# KiCad board ddr4-datacenter-tester.kicad_pcb (continued)
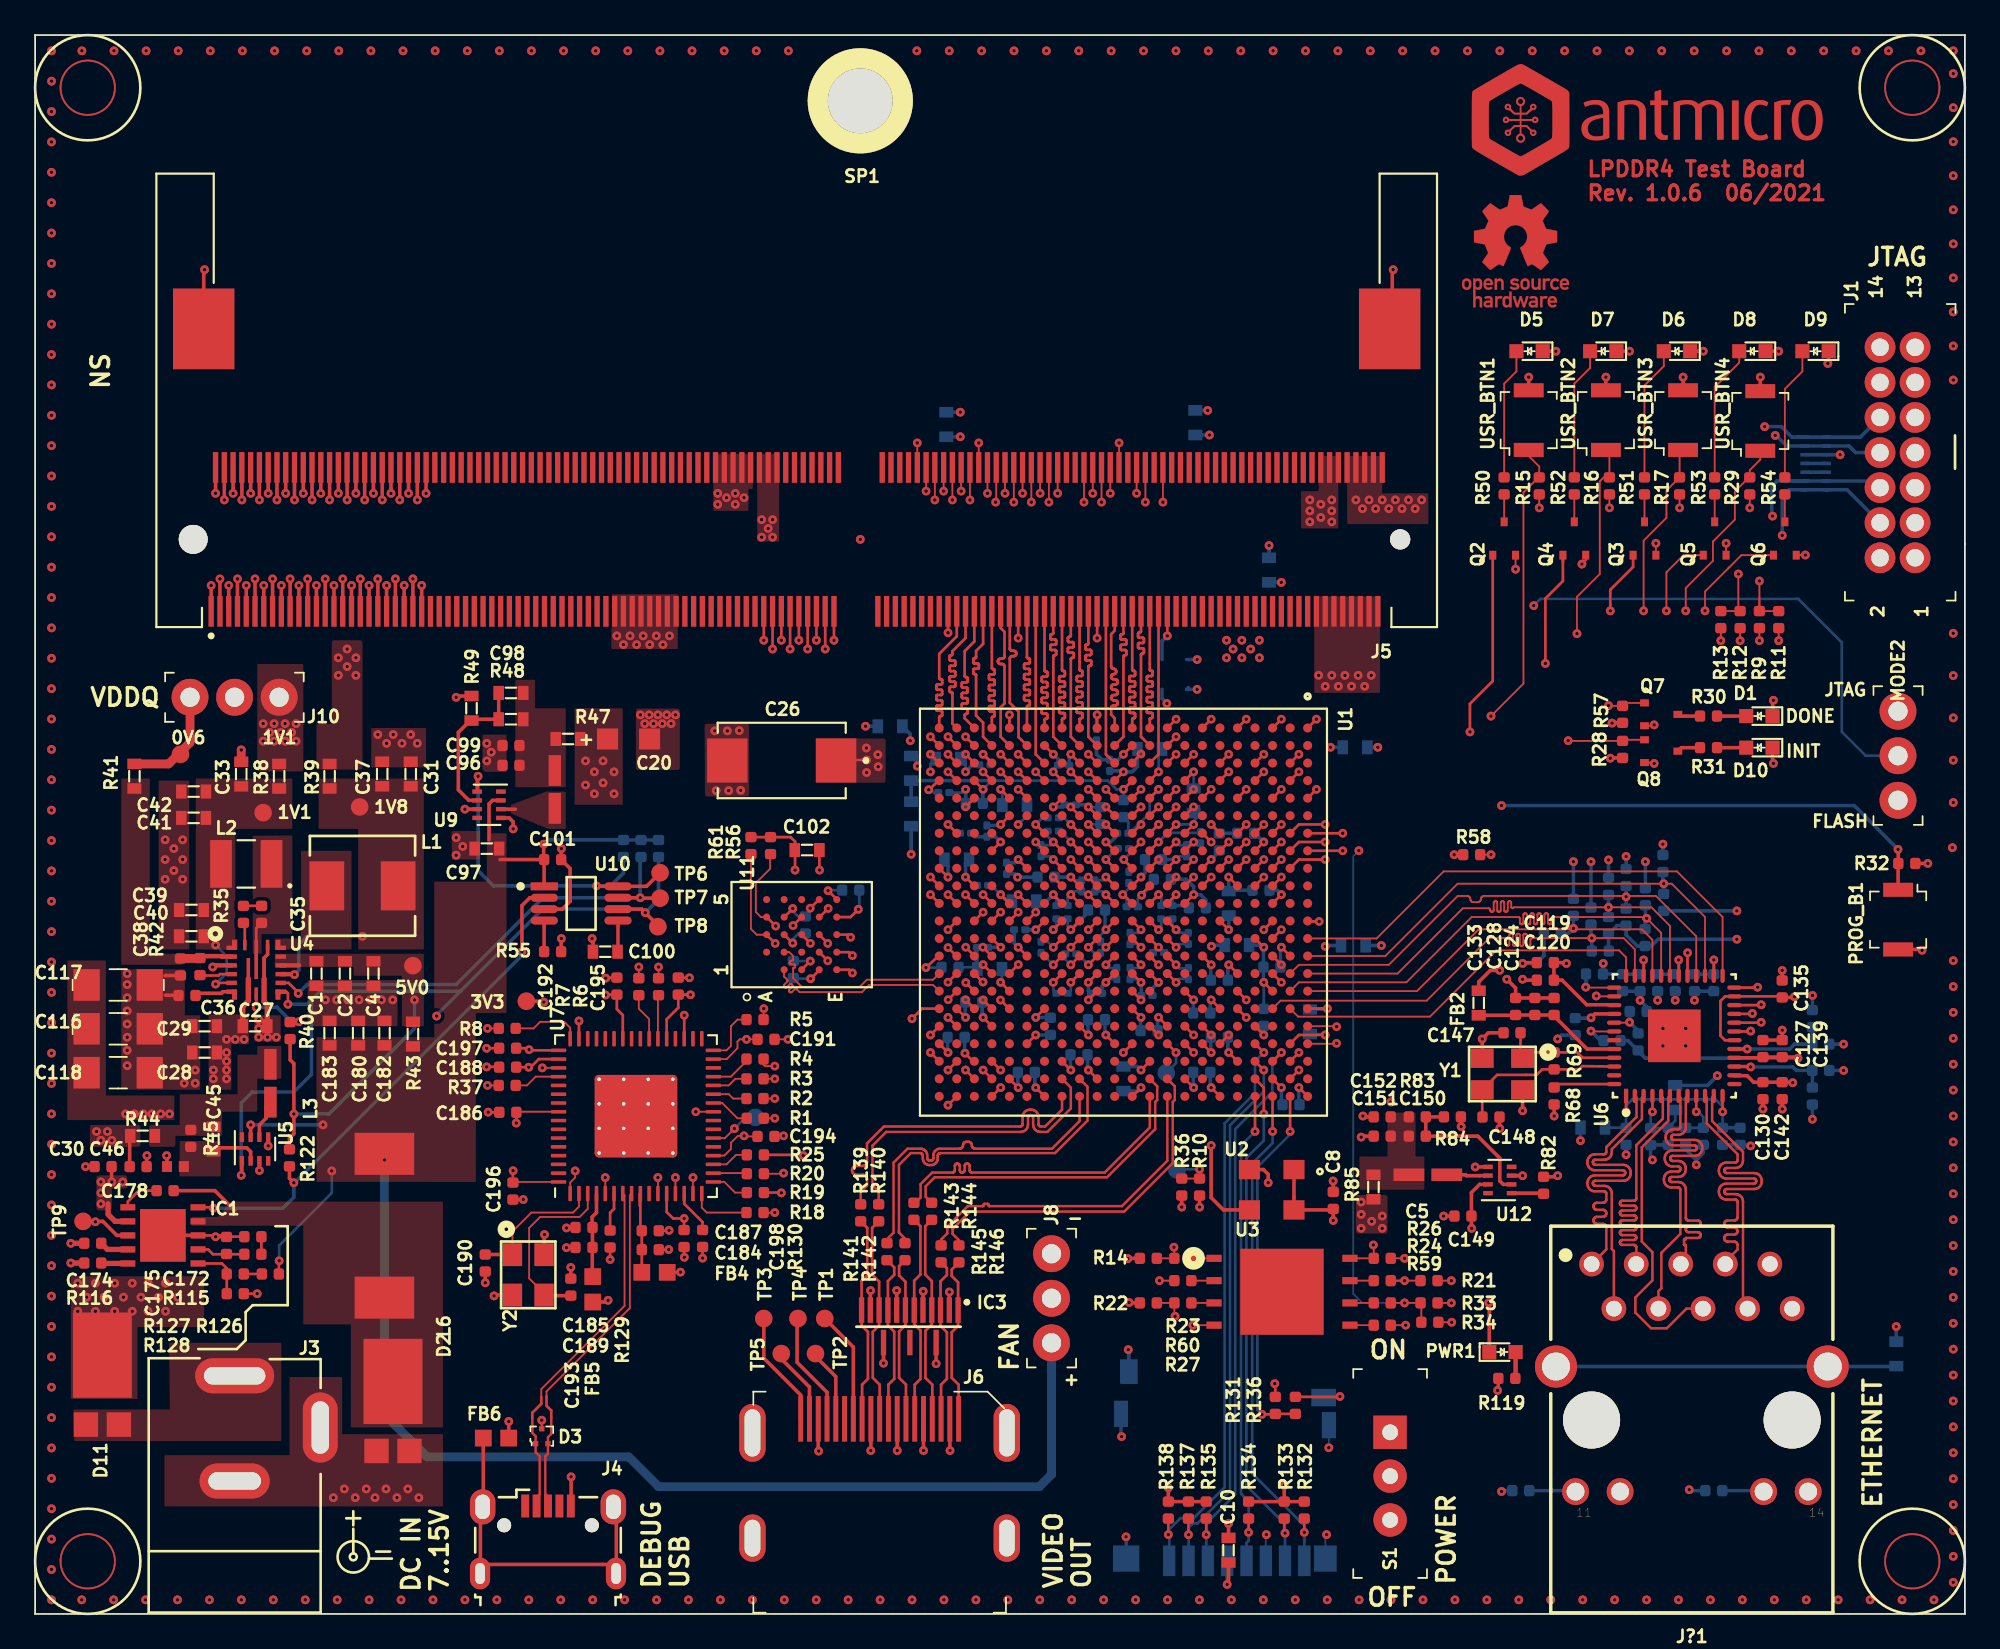
[diagram p0: board, top side]
## Routing (per net, layer and track width the routed paths; a pad name or vN(x,y) marks a point on that pad's centre or on a via; arc(x,y) is an arc through that point) (continued)
ETH_TXD3: length 34
  Top w0.1: v4(74.19,33.48) 74.16,33.5 U1.A18
  Top w0.15: U6.22 98.36,34.7 v3(98.39,34.73)
  In2.Cu w0.1: v3(98.39,34.73) 96.03,34.73 95.19,33.88 95.19,32.43 94.49,31.73 80.54,31.73 80.52,31.73 80.5,31.74 80.48,31.75 80.46,31.76 80.45,31.78 80.44,31.8 80.44,31.83 80.44,31.92 80.44,31.94 80.43,31.96 80.42,31.98 80.4,31.99 80.38,32.01 80.36,32.01 80.34,32.02 80.32,32.01 80.3,32.01 80.28,31.99 80.26,31.98 80.25,31.96 80.24,31.94 80.24,31.92 80.24,31.38 80.24,31.36 80.23,31.34 80.22,31.32 80.2,31.31 80.18,31.29 80.16,31.29 80.14,31.28 80.12,31.29 80.1,31.29 80.08,31.31 80.06,31.32 80.05,31.34 80.04,31.36 80.04,31.38 80.04,31.92 80.04,31.94 80.03,31.96 80.02,31.98 80,31.99 79.98,32.01 79.96,32.01 79.94,32.02 79.92,32.01 79.9,32.01 79.88,31.99 79.86,31.98 79.85,31.96 79.84,31.94 79.84,31.92 79.84,31.38 79.84,31.36 79.83,31.34 79.82,31.32 79.8,31.31 79.78,31.29 79.76,31.29 79.74,31.28 79.72,31.29 79.7,31.29 79.68,31.31 79.66,31.32 79.65,31.34 79.64,31.36 79.64,31.38 79.64,31.92 79.64,31.94 79.63,31.96 79.62,31.98 79.6,31.99 79.58,32.01 79.56,32.01 79.54,32.02 79.52,32.01 79.5,32.01 79.48,31.99 79.46,31.98 79.45,31.96 79.44,31.94 79.44,31.92 79.44,31.38 79.44,31.36 79.43,31.34 79.42,31.32 79.4,31.31 79.38,31.29 79.36,31.29 79.34,31.28 79.32,31.29 79.3,31.29 79.28,31.31 79.26,31.32 79.25,31.34 79.24,31.36 79.24,31.38 79.24,31.63 79.24,31.65 79.23,31.67 79.22,31.69 79.2,31.7 79.18,31.72 79.16,31.72 79.14,31.73 76.99,31.73 75.24,33.48 v4(74.19,33.48)
FCS_B: length 17.7
  Top w0.1: v3(64.91,20.9) 64.94,20.88 R23.2 R14.1
  Top w0.15: U1.L16 v4(63.04,35)
  In2.Cu w0.1: v4(63.04,35) 63.59,34.45 63.59,21.41 64.09,20.9 v3(64.91,20.9)
GCLK100: length 15.7
  Top w0.15: U1.L19 v3(62.04,32)
  Top w0.2: v3(67.04,26.7) 67.04,23.73 67.74,23.03 U2.3
  In5.Cu w0.15: v3(62.04,32) 62.04,27.9 63.24,26.7 v3(67.04,26.7)
HR_CKN: length 11.2
  Top w0.1: 42.69,36.72 42.69,36.34 42.86,36.17 42.87,36.15 42.88,36.13 42.89,36.11 42.89,36.08 42.88,36.06 42.87,36.04 42.86,36.02 42.72,35.88 42.7,35.86 42.69,35.84 42.69,35.82 42.69,35.8 42.69,35.78 42.7,35.76 42.72,35.74 42.73,35.73 42.75,35.72 42.78,35.71 42.8,35.71 42.82,35.72 42.84,35.73 42.86,35.74 43,35.88 43.02,35.9 43.04,35.91 43.06,35.91 43.08,35.91 43.1,35.91 43.12,35.9 43.14,35.88 43.16,35.86 43.17,35.84 43.17,35.82 43.17,35.8 43.17,35.78 43.16,35.76 43.14,35.74 43,35.6 42.99,35.58 42.98,35.56 42.97,35.54 42.97,35.52 42.98,35.5 42.99,35.48 43,35.46 43.02,35.44 43.04,35.43 43.06,35.43 43.08,35.43 43.1,35.43 43.12,35.44 43.14,35.46 43.28,35.6 43.3,35.61 43.32,35.62 43.34,35.63 43.36,35.63 43.39,35.62 43.41,35.61 43.42,35.6 43.57,35.45 47.13,35.45 47.54,35.85 51.19,35.85 U1.AB16
HR_CKP: length 11.1
  Top w0.1: 42.69,37.73 42.98,37.73 43.21,37.51 43.21,37.33 43.2,37.31 43.2,37.28 43.18,37.27 43.17,37.25 43.15,37.24 43.13,37.23 43.08,37.23 43.06,37.22 43.04,37.21 43.03,37.19 43.02,37.17 43.01,37.15 43.01,37.13 43.01,37.11 43.02,37.08 43.03,37.07 43.04,37.05 43.06,37.04 43.08,37.03 43.11,37.03 43.26,37.03 43.27,37.03 43.28,37.02 43.29,37.02 43.3,37.01 43.3,37 43.31,36.99 43.31,36.98 43.31,36.88 43.31,36.87 43.3,36.86 43.3,36.85 43.29,36.84 43.28,36.83 43.27,36.83 43.25,36.83 43.23,36.82 43.23,36.82 43.22,36.81 43.21,36.8 43.21,36.79 43.21,36.78 43.21,36.24 43.7,35.75 47.01,35.75 47.41,36.15 51.19,36.15 U1.AB15
HR_CS: length 18.9
  Top w0.1: 41.69,38.72 41.13,38.72 40.8,39.05 40.8,43.11 41.01,43.31
  Top w0.15: 52.55,35.51 v4(52.05,35.01) ; 41.69,38.72 v4(42.19,38.22)
  In2.Cu w0.1: 50.53,35.01 50.48,35.01 ; 50.53,35.01 44.73,35.01 42.66,37.09 42.64,37.1 42.62,37.11 42.6,37.11 42.58,37.11 42.55,37.11 42.53,37.1 42.52,37.09 42.44,37.01 42.43,37 42.41,36.99 42.38,36.99 42.36,36.99 42.34,36.99 42.32,37 42.3,37.01 42.29,37.03 42.28,37.05 42.27,37.07 42.27,37.1 42.28,37.12 42.29,37.14 42.3,37.16 42.37,37.23 42.39,37.24 42.4,37.27 42.4,37.29 42.4,37.31 42.4,37.33 42.39,37.35 42.37,37.37 42.19,37.56 v4(42.19,38.22) ; 50.53,35.01 v4(52.05,35.01)
HR_DQ0: length 11.2
  Top w0.15: 54.54,36.51 v4(54.04,37.01) ; 44.68,38.72 v4(45.18,38.22)
  In2.Cu w0.1: v4(45.18,38.22) 45.34,38.06 45.72,38.06 45.74,38.07 45.76,38.07 45.78,38.08 45.79,38.1 45.81,38.12 45.81,38.14 45.82,38.16 45.82,38.26 45.82,38.29 45.83,38.31 45.84,38.33 45.85,38.34 45.87,38.35 45.89,38.36 45.92,38.36 45.94,38.36 45.96,38.35 45.98,38.34 45.99,38.33 46.01,38.31 46.01,38.29 46.02,38.26 46.02,38.16 46.02,38.14 46.03,38.12 46.04,38.1 46.05,38.08 46.07,38.07 46.09,38.07 46.12,38.06 46.74,38.06 47.22,37.58 51.33,37.58 51.76,37.15 53.9,37.15 v4(54.04,37.01)
HR_DQ1: length 11.9
  Top w0.15: 52.54,36.51 v4(52.04,36.01) ; 44.68,37.73 v4(45.18,37.23)
  In2.Cu w0.1: 52.02,36.01 v4(52.04,36.01) 47.62,36.01 47.61,36.01 47.59,36.02 47.58,36.03 47.56,36.04 47.55,36.06 47.55,36.07 47.55,36.1 47.54,36.12 47.53,36.13 47.52,36.15 47.5,36.16 47.49,36.16 47.47,36.16 47.37,36.16 47.36,36.16 47.34,36.16 47.33,36.15 47.31,36.13 47.3,36.12 47.3,36.1 47.3,36.09 47.3,35.91 47.29,35.89 47.29,35.87 47.28,35.85 47.26,35.83 47.24,35.82 47.22,35.82 47.2,35.81 47.15,35.81 47.12,35.82 47.1,35.82 47.08,35.83 47.07,35.85 47.06,35.87 47.05,35.89 47.05,35.91 47.05,36.06 47.05,36.07 47.04,36.08 47.04,36.09 47.03,36.1 47.02,36.11 47.01,36.11 47,36.11 46.85,36.11 46.84,36.11 46.83,36.11 46.82,36.1 46.81,36.09 46.8,36.08 46.8,36.07 46.8,36.06 46.8,35.91 46.79,35.89 46.79,35.87 46.78,35.85 46.76,35.83 46.74,35.82 46.72,35.82 46.7,35.81 46.65,35.81 46.62,35.82 46.6,35.82 46.58,35.83 46.57,35.85 46.56,35.87 46.55,35.89 46.54,35.94 46.54,35.96 46.53,35.98 46.51,35.99 46.49,36 46.47,36.01 46.45,36.01 46.18,36.28 46.16,36.3 46.13,36.31 46.11,36.32 46.08,36.32 46.05,36.31 46.02,36.3 46,36.28 45.86,36.14 45.84,36.12 45.81,36.11 45.79,36.1 45.76,36.1 45.73,36.11 45.71,36.12 45.68,36.14 45.67,36.16 45.66,36.19 45.65,36.21 45.65,36.24 45.66,36.27 45.67,36.29 45.68,36.32 46.22,36.85 46.23,36.87 46.24,36.89 46.25,36.92 46.25,36.95 46.24,36.98 46.23,37 46.22,37.02 46.19,37.04 46.17,37.05 46.14,37.06 46.11,37.06 46.09,37.05 46.06,37.04 46.04,37.02 45.61,36.6 45.59,36.58 45.57,36.57 45.54,36.56 45.51,36.56 45.48,36.57 45.46,36.58 45.44,36.6 45.42,36.62 45.41,36.65 45.4,36.67 45.4,36.7 45.41,36.73 45.42,36.75 45.44,36.78 45.47,36.81 45.49,36.83 45.5,36.86 45.51,36.88 45.51,36.91 45.5,36.94 45.49,36.97 45.47,36.99 45.23,37.23 v4(45.18,37.23)
HR_DQ2: length 11.2
  Top w0.15: 52.54,37.48 v4(52.04,37.98) ; 43.7,39.74 v4(43.2,39.24)
  In2.Cu w0.1: v4(52.04,37.98) 51.88,38.14 47.6,38.14 46.72,39.02 44.51,39.02 44.49,39.02 44.47,39.03 44.45,39.04 44.43,39.06 44.42,39.08 44.42,39.1 44.41,39.12 44.41,39.22 44.41,39.25 44.4,39.27 44.39,39.29 44.38,39.3 44.36,39.31 44.34,39.32 44.31,39.32 44.29,39.32 44.27,39.31 44.25,39.3 44.23,39.29 44.22,39.27 44.22,39.25 44.21,39.22 44.21,39.12 44.21,39.1 44.2,39.08 44.19,39.06 44.18,39.04 44.16,39.03 44.14,39.02 44.11,39.02 43.42,39.02 v4(43.2,39.24)
HR_DQ3: length 11.9
  Top w0.15: 54.54,37.49 54.04,37.99 ; 44.71,39.71 v4(45.21,40.21)
  In2.Cu w0.1: v4(45.21,40.21) 45.48,40.21 45.5,40.21 45.52,40.2 45.54,40.19 45.56,40.18 45.57,40.16 45.58,40.14 45.58,40.11 45.58,39.85 45.58,39.83 45.59,39.81 45.6,39.79 45.62,39.77 45.63,39.76 45.66,39.75 45.68,39.75 45.7,39.75 45.72,39.76 45.74,39.77 45.76,39.79 45.77,39.81 45.78,39.83 45.78,39.85 45.78,40.11 45.78,40.14 45.79,40.16 45.8,40.18 45.82,40.19 45.83,40.2 45.86,40.21 45.88,40.21 46.23,40.21 47.73,38.72 53.31,38.72 v4(54.03,38)
HR_DQ4: length 11.2
  Top w0.15: 53.55,37.5 v4(53.05,38) ; 44.68,40.73 v4(44.18,40.23)
  In2.Cu w0.1: v4(44.18,40.23) 45.14,39.27 46.82,39.27 47.66,38.43 52.62,38.43 v4(53.05,38)
HR_DQ5: length 11.9
  Top w0.15: 55.54,36.52 56.04,37.02 ; U11.E3 46.33,38.72 v4(46.49,38.57)
  In2.Cu w0.1: v4(56.04,37.02) 55.53,37.53 52.78,37.53 52.76,37.53 52.75,37.54 52.74,37.55 52.73,37.56 52.72,37.57 52.71,37.59 52.71,37.62 52.7,37.63 52.7,37.64 52.69,37.66 52.67,37.66 52.66,37.67 52.64,37.67 52.48,37.67 52.46,37.67 52.45,37.66 52.44,37.66 52.43,37.64 52.42,37.63 52.41,37.62 52.41,37.59 52.4,37.57 52.4,37.56 52.39,37.55 52.37,37.54 52.36,37.53 52.34,37.53 51.82,37.53 51.5,37.85 47.41,37.85 46.69,38.57 v4(46.49,38.57)
HR_DQ6: length 11.2
  Top w0.15: 53.55,35.49 v4(53.05,35.99) ; v4(46.59,37.53) 46.39,37.72 U11.E2
  In2.Cu w0.1: v4(46.59,37.53) 46.8,37.31 47.78,37.31 47.81,37.31 47.83,37.3 47.86,37.29 47.88,37.27 47.89,37.24 47.9,37.22 47.9,37.19 47.9,36.94 47.91,36.91 47.92,36.89 47.93,36.86 47.95,36.84 47.98,36.83 48,36.82 48.03,36.82 48.06,36.82 48.08,36.83 48.11,36.84 48.13,36.86 48.14,36.89 48.15,36.91 48.15,36.94 48.15,37.19 48.16,37.22 48.17,37.24 48.18,37.27 48.2,37.29 48.23,37.3 48.25,37.31 48.28,37.31 48.31,37.31 48.33,37.3 48.36,37.29 48.38,37.27 48.39,37.24 48.4,37.22 48.4,37.19 48.4,36.94 48.41,36.91 48.42,36.89 48.43,36.86 48.45,36.84 48.48,36.83 48.5,36.82 48.53,36.82 48.56,36.82 48.58,36.83 48.61,36.84 48.63,36.86 48.64,36.89 48.65,36.91 48.65,36.94 48.65,37.19 48.66,37.22 48.67,37.24 48.68,37.27 48.7,37.29 48.73,37.3 48.75,37.31 48.78,37.31 48.81,37.31 48.83,37.3 48.86,37.29 48.88,37.27 48.89,37.24 48.9,37.22 48.9,37.19 48.9,36.94 48.91,36.91 48.92,36.89 48.93,36.86 48.95,36.84 48.98,36.83 49,36.82 49.03,36.82 49.06,36.82 49.08,36.83 49.11,36.84 49.13,36.86 49.14,36.89 49.15,36.91 49.15,36.94 49.15,37.19 49.16,37.22 49.17,37.24 49.18,37.27 49.2,37.29 49.23,37.3 49.25,37.31 49.28,37.31 51.19,37.31 51.68,36.82 52.38,36.82 53.05,36.15 v4(53.05,35.99)
HR_DQ7: length 11.2
  Top w0.15: U1.W17 v4(54.04,35) ; U11.E1 46.4,36.72 v4(46.59,36.54)
  In2.Cu w0.1: v4(54.04,35) 53.5,35.54 52.82,35.54 52.56,35.8 52.56,36.26 52.3,36.51 51.12,36.51 50.99,36.38 47.66,36.38 47.63,36.38 47.61,36.39 47.58,36.41 47.56,36.43 47.55,36.45 47.54,36.48 47.54,36.51 47.54,36.9 47.53,36.92 47.52,36.95 47.51,36.97 47.49,36.99 47.46,37.01 47.44,37.02 47.41,37.02 47.38,37.02 47.36,37.01 47.33,36.99 47.31,36.97 47.3,36.95 47.29,36.92 47.29,36.9 47.29,36.51 47.28,36.48 47.27,36.45 47.26,36.43 47.24,36.41 47.21,36.39 47.19,36.38 47.16,36.38 46.74,36.38 v4(46.59,36.54)
HR_RST: length 23.1
  Top w0.1: 42.07,43.34 41.89,43.16 41.89,42.48 41.08,41.66 41.08,40.01 41.37,39.72 U11.A4
  Top w0.15: 55.53,34.49 v4(55.03,34.99) ; 41.71,39.71 v4(42.21,39.21)
  In2.Cu w0.1: v4(42.21,39.21) 41.62,38.61 41.62,36.71 43.77,34.55 54.59,34.55 v4(55.03,34.99)
HR_RW: length 12.2
  Top w0.15: 53.54,34.51 v4(53.04,35.01) ; 43.69,38.72 v4(44.19,38.22)
  In2.Cu w0.1: 53.04,34.96 v4(53.04,35.01) 52.86,35.01 52.36,35.52 45.88,35.52 44.71,36.69 44.71,37.73 44.22,38.22 v4(44.19,38.22)
INIT_B: length 35.1
  Top w0.1: Q8.1 90.55,49.83 R28.2 87.3,49.76 87.37,49.76 v3(87.39,49.78)
  Top w0.15: U1.L7 v4(63.04,45)
  In2.Cu w0.1: v3(87.39,49.78) 87.39,49.28 84.67,46.56 82.4,46.56 77.64,41.8 77.07,41.8 77.06,41.79 68.49,41.79 68.25,41.55 67.29,41.55 66.59,42.25 65.15,42.25 63.04,44.36 v4(63.04,45)
IO_AA11: length 21.4
  Top w0.15: U1.AA11 v4(52.04,41) ; J5.139 v3(44.54,55.5)
  In2.Cu w0.1: v4(52.04,41) 51.54,40.5 50.82,40.5 44.54,46.78 v3(44.54,55.5)
IO_AB10: length 18.6
  Top w0.15: U1.AB10 v4(51.04,42) ; J5.143 v3(45.54,55.5)
  In2.Cu w0.1: v3(45.54,55.5) 45.54,46.73 50.27,42 v4(51.04,42)
IO_AB11: length 19.5
  Top w0.15: U1.AB11 v4(51.04,41) ; J5.141 v3(45.04,55)
  In2.Cu w0.1: v4(51.04,41) 50.81,41 45.04,46.77 v3(45.04,55)
IO_M5: length 19.2
  Top w0.1: 61.29,65.23 v4(61.29,63.88)
  Top w0.15: U1.M5 v4(61.04,47)
  In2.Cu w0.1: v4(61.29,63.88) 61.29,52.33 61.54,52.08 61.54,47.5 v4(61.04,47)
IO_N5: length 19.2
  Top w0.1: 59.79,65.23 v4(59.79,63.38)
  Top w0.15: U1.N5 v4(60.04,47)
  In2.Cu w0.1: v4(59.79,63.38) 59.79,52.13 59.54,51.88 59.54,47.5 v4(60.04,47)
IO_P4: length 19.2
  Top w0.1: 58.29,65.23 v4(58.29,63.88)
  Top w0.15: U1.P4 v4(59.04,48)
  In2.Cu w0.1: v4(59.04,48) 58.54,48.5 58.54,49.74 58.29,49.99 58.29,50.83 58.29,50.85 58.3,50.87 58.31,50.89 58.32,50.91 58.34,50.92 58.36,50.93 58.39,50.93 58.41,50.93 58.43,50.93 58.45,50.94 58.47,50.95 58.49,50.97 58.5,50.99 58.51,51.01 58.51,51.03 58.51,51.05 58.5,51.07 58.49,51.09 58.47,51.11 58.45,51.12 58.43,51.13 58.41,51.13 58.16,51.13 58.14,51.13 58.12,51.14 58.1,51.15 58.08,51.17 58.07,51.19 58.06,51.21 58.06,51.23 58.06,51.25 58.07,51.27 58.08,51.29 58.1,51.31 58.12,51.32 58.14,51.33 58.16,51.33 58.41,51.33 58.43,51.33 58.45,51.34 58.47,51.35 58.49,51.37 58.5,51.39 58.51,51.41 58.51,51.43 58.51,51.45 58.5,51.47 58.49,51.49 58.47,51.51 58.45,51.52 58.43,51.53 58.41,51.53 58.39,51.53 58.36,51.53 58.34,51.54 58.32,51.55 58.31,51.57 58.3,51.59 58.29,51.61 58.29,51.63 v4(58.29,63.88)
IO_R4: length 19.2
  Top w0.1: 57.29,65.23 v4(57.29,63.88)
  Top w0.15: U1.R4 v4(58.04,48)
  In2.Cu w0.1: v4(58.04,48) 57.54,48.5 57.54,51.18 57.29,51.43 57.29,52.63 57.29,52.65 57.3,52.67 57.31,52.69 57.32,52.71 57.34,52.72 57.36,52.73 57.39,52.73 57.41,52.73 57.43,52.73 57.45,52.74 57.47,52.75 57.49,52.77 57.5,52.79 57.51,52.81 57.51,52.83 57.51,52.85 57.5,52.87 57.49,52.89 57.47,52.91 57.45,52.92 57.43,52.93 57.41,52.93 57.16,52.93 57.14,52.93 57.12,52.94 57.1,52.95 57.08,52.97 57.07,52.99 57.06,53.01 57.06,53.03 57.06,53.05 57.07,53.07 57.08,53.09 57.1,53.11 57.12,53.12 57.14,53.13 57.16,53.13 57.41,53.13 57.43,53.13 57.45,53.14 57.47,53.15 57.49,53.17 57.5,53.19 57.51,53.21 57.51,53.23 57.51,53.25 57.5,53.27 57.49,53.29 57.47,53.31 57.45,53.32 57.43,53.33 57.41,53.33 57.39,53.33 57.36,53.33 57.34,53.34 57.32,53.35 57.31,53.37 57.3,53.39 57.29,53.41 57.29,53.43 v4(57.29,63.88)
IO_T4: length 19.2
  Top w0.1: U1.T4 v4(57.04,48) ; 56.79,65.23 v4(56.79,63.38)
  In2.Cu w0.1: v4(56.79,63.38) 56.79,52.48 56.78,52.46 56.78,52.44 56.76,52.42 56.75,52.4 56.73,52.39 56.71,52.38 56.69,52.38 56.68,52.38 56.66,52.38 56.64,52.37 56.62,52.36 56.6,52.34 56.59,52.32 56.58,52.3 56.58,52.28 56.58,52.26 56.59,52.24 56.6,52.22 56.62,52.2 56.64,52.19 56.66,52.18 56.68,52.18 56.89,52.18 56.91,52.18 56.93,52.17 56.95,52.16 56.97,52.14 56.98,52.12 56.99,52.1 56.99,52.08 56.99,52.06 56.98,52.04 56.97,52.02 56.95,52 56.93,51.99 56.91,51.98 56.89,51.98 56.68,51.98 56.66,51.98 56.64,51.97 56.62,51.96 56.6,51.94 56.59,51.92 56.58,51.9 56.58,51.88 56.58,51.86 56.59,51.84 56.6,51.82 56.62,51.8 56.64,51.79 56.66,51.78 56.68,51.78 56.89,51.78 56.91,51.78 56.93,51.77 56.95,51.76 56.97,51.74 56.98,51.72 56.99,51.7 56.99,51.68 56.99,51.66 56.98,51.64 56.97,51.62 56.95,51.6 56.93,51.59 56.91,51.58 56.89,51.58 56.89,51.58 56.86,51.58 56.84,51.57 56.82,51.56 56.81,51.54 56.8,51.52 56.79,51.5 56.79,51.48 56.79,51.28 57.04,51.03 v4(57.04,48)
IO_U3: length 19.2
  Top w0.1: 55.79,65.23 v4(55.79,63.38)
  Top w0.15: U1.U3 v4(56.04,49)
  In2.Cu w0.1: v4(56.04,49) 56.04,50.38 55.79,50.63 55.79,51.93 55.79,51.95 55.8,51.97 55.81,51.99 55.82,52.01 55.84,52.02 55.86,52.03 55.89,52.03 55.92,52.03 55.94,52.03 55.96,52.04 55.98,52.05 56,52.07 56.01,52.09 56.02,52.11 56.02,52.13 56.02,52.15 56.01,52.17 56,52.19 55.98,52.21 55.96,52.22 55.94,52.23 55.92,52.23 55.65,52.23 55.63,52.23 55.61,52.24 55.59,52.25 55.57,52.27 55.56,52.29 55.55,52.31 55.55,52.33 55.55,52.35 55.56,52.37 55.57,52.39 55.59,52.41 55.61,52.42 55.63,52.43 55.65,52.43 55.92,52.43 55.94,52.43 55.96,52.44 55.98,52.45 56,52.47 56.01,52.49 56.02,52.51 56.02,52.53 56.02,52.55 56.01,52.57 56,52.59 55.98,52.61 55.96,52.62 55.94,52.63 55.92,52.63 55.65,52.63 55.63,52.63 55.61,52.64 55.59,52.65 55.57,52.67 55.56,52.69 55.55,52.71 55.55,52.73 55.55,52.75 55.56,52.77 55.57,52.79 55.59,52.81 55.61,52.82 55.63,52.83 55.65,52.83 55.92,52.83 55.94,52.83 55.96,52.84 55.98,52.85 56,52.87 56.01,52.89 56.02,52.91 56.02,52.93 56.02,52.95 56.01,52.97 56,52.99 55.98,53.01 55.96,53.02 55.94,53.03 55.92,53.03 55.65,53.03 55.63,53.03 55.61,53.04 55.59,53.05 55.57,53.07 55.56,53.09 55.55,53.11 55.55,53.13 55.55,53.15 55.56,53.17 55.57,53.19 55.59,53.21 55.61,53.22 55.63,53.23 55.65,53.23 55.69,53.23 55.71,53.23 55.73,53.24 55.75,53.25 55.76,53.27 55.78,53.29 55.78,53.31 55.79,53.33 v4(55.79,63.38)
IO_U5: length 19.2
  Top w0.1: 56.29,65.23 v4(56.29,63.88)
  Top w0.15: U1.U5 v4(56.04,47)
  In2.Cu w0.1: v4(56.04,47) 56.04,48 56.54,48.5 56.54,50.73 56.29,50.98 v4(56.29,63.88)
IO_U12: length 30.1
  Top w0.15: U1.U12 v4(57.04,40) ; J5.127 v3(41.54,55.5)
  In2.Cu w0.1: v3(41.54,55.5) 41.54,47.04 49.58,39 56.04,39 v4(57.04,40)
IO_V3: length 21.3
  Top w0.1: v4(54.75,63.38) 54.79,63.41 54.79,65.23
  Top w0.15: U1.V3 v4(55.04,49)
  In2.Cu w0.1: v4(55.04,49) 55.04,49.68 54.75,49.97 54.75,51.37 54.75,51.39 54.76,51.41 54.77,51.43 54.79,51.44 54.81,51.46 54.83,51.46 54.85,51.47 54.89,51.47 54.91,51.47 54.93,51.48 54.95,51.49 54.97,51.5 54.98,51.52 54.99,51.54 54.99,51.57 54.99,51.59 54.98,51.61 54.97,51.63 54.95,51.64 54.93,51.66 54.91,51.66 54.89,51.67 54.65,51.67 54.63,51.67 54.61,51.68 54.6,51.69 54.58,51.7 54.57,51.72 54.56,51.74 54.56,51.76 54.56,51.77 54.56,51.79 54.57,51.81 54.58,51.83 54.6,51.85 54.61,51.86 54.63,51.86 54.65,51.87 54.89,51.87 54.91,51.87 54.93,51.88 54.95,51.89 54.97,51.9 54.98,51.92 54.99,51.94 54.99,51.97 54.99,51.99 54.98,52.01 54.97,52.03 54.95,52.04 54.93,52.06 54.91,52.06 54.89,52.07 54.65,52.07 54.63,52.07 54.61,52.08 54.6,52.09 54.58,52.1 54.57,52.12 54.56,52.14 54.56,52.16 54.56,52.17 54.56,52.19 54.57,52.21 54.58,52.23 54.6,52.25 54.61,52.26 54.63,52.26 54.65,52.27 54.89,52.27 54.91,52.27 54.93,52.28 54.95,52.29 54.97,52.3 54.98,52.32 54.99,52.34 54.99,52.37 54.99,52.39 54.98,52.41 54.97,52.43 54.95,52.44 54.93,52.46 54.91,52.46 54.89,52.47 54.65,52.47 54.63,52.47 54.61,52.48 54.6,52.49 54.58,52.5 54.57,52.52 54.56,52.54 54.56,52.56 54.56,52.57 54.56,52.59 54.57,52.61 54.58,52.63 54.6,52.65 54.61,52.66 54.63,52.66 54.65,52.67 54.89,52.67 54.91,52.67 54.93,52.68 54.95,52.69 54.97,52.7 54.98,52.72 54.99,52.74 54.99,52.77 54.99,52.79 54.98,52.81 54.97,52.83 54.95,52.84 54.93,52.86 54.91,52.86 54.89,52.87 54.65,52.87 54.63,52.87 54.61,52.88 54.6,52.89 54.58,52.9 54.57,52.92 54.56,52.94 54.56,52.96 54.56,52.97 54.56,52.99 54.57,53.01 54.58,53.03 54.6,53.05 54.61,53.06 54.63,53.06 54.65,53.07 54.89,53.07 54.91,53.07 54.93,53.08 54.95,53.09 54.97,53.1 54.98,53.12 54.99,53.14 54.99,53.17 54.99,53.19 54.98,53.21 54.97,53.23 54.95,53.24 54.93,53.26 54.91,53.26 54.89,53.27 54.65,53.27 54.63,53.27 54.61,53.28 54.6,53.29 54.58,53.3 54.57,53.32 54.56,53.34 54.56,53.36 54.56,53.37 54.56,53.39 54.57,53.41 54.58,53.43 54.6,53.45 54.61,53.46 54.63,53.46 54.65,53.47 54.89,53.47 54.91,53.47 54.93,53.48 54.95,53.49 54.97,53.5 54.98,53.52 54.99,53.54 54.99,53.57 54.99,53.59 54.98,53.61 54.97,53.63 54.95,53.64 54.93,53.66 54.91,53.66 54.89,53.67 54.75,53.67 54.75,53.67 54.65,53.67 54.63,53.67 54.61,53.68 54.6,53.69 54.58,53.71 54.57,53.73 54.56,53.75 54.56,53.77 54.56,53.78 54.56,53.8 54.57,53.82 54.58,53.84 54.6,53.85 54.61,53.86 54.63,53.87 54.68,53.87 54.7,53.88 54.71,53.89 54.73,53.91 54.74,53.93 54.75,53.95 54.75,53.97 v4(54.75,63.38) 54.75,63.25
IO_V4: length 19.2
  Top w0.1: 55.29,65.23 v4(55.29,63.88)
  Top w0.15: U1.V4 v4(55.04,48)
  In2.Cu w0.1: v4(55.29,63.88) 55.29,51.38 55.28,51.36 55.28,51.34 55.26,51.32 55.25,51.3 55.23,51.29 55.21,51.28 55.19,51.28 55.16,51.28 55.14,51.28 55.12,51.27 55.1,51.26 55.08,51.24 55.07,51.22 55.06,51.2 55.06,51.18 55.06,51.16 55.07,51.14 55.08,51.12 55.1,51.1 55.12,51.09 55.14,51.08 55.16,51.08 55.41,51.08 55.43,51.08 55.45,51.07 55.47,51.06 55.49,51.04 55.5,51.02 55.51,51 55.51,50.98 55.51,50.96 55.5,50.94 55.49,50.92 55.47,50.9 55.45,50.89 55.43,50.88 55.41,50.88 55.16,50.88 55.14,50.88 55.12,50.87 55.1,50.86 55.08,50.84 55.07,50.82 55.06,50.8 55.06,50.78 55.06,50.76 55.07,50.74 55.08,50.72 55.1,50.7 55.12,50.69 55.14,50.68 55.16,50.68 55.19,50.68 55.21,50.68 55.23,50.67 55.25,50.66 55.26,50.64 55.28,50.62 55.28,50.6 55.29,50.58 55.29,50.23 55.54,49.98 55.54,48.5 v4(55.04,48)
IO_V12: length 28.4
  Top w0.15: U1.V12 v4(56.04,40) ; J5.129 v3(42.04,55)
  In2.Cu w0.1: v3(42.04,55) 42.04,47.01 49.8,39.25 55.29,39.25 v4(56.04,40)
IO_W4: length 19.2
  Top w0.1: 54.29,65.23 v4(54.29,63.88)
  Top w0.15: U1.W4 v4(54.04,48)
  In2.Cu w0.1: v4(54.29,63.88) 54.29,50.98 54.28,50.96 54.28,50.94 54.26,50.92 54.25,50.9 54.23,50.89 54.21,50.88 54.19,50.88 54.15,50.88 54.12,50.88 54.1,50.87 54.08,50.86 54.07,50.84 54.06,50.82 54.05,50.8 54.05,50.78 54.05,50.76 54.06,50.74 54.07,50.72 54.08,50.7 54.1,50.69 54.12,50.68 54.15,50.68 54.38,50.68 54.4,50.68 54.42,50.67 54.44,50.66 54.46,50.64 54.47,50.63 54.47,50.61 54.48,50.58 54.48,50.58 54.47,50.55 54.47,50.53 54.46,50.52 54.44,50.5 54.42,50.49 54.4,50.48 54.38,50.48 54.15,50.48 54.12,50.48 54.1,50.47 54.08,50.46 54.07,50.44 54.06,50.42 54.05,50.4 54.05,50.38 54.05,50.36 54.06,50.34 54.07,50.32 54.08,50.3 54.1,50.29 54.12,50.28 54.15,50.28 54.19,50.28 54.21,50.28 54.23,50.27 54.25,50.26 54.26,50.24 54.28,50.22 54.28,50.2 54.29,50.18 54.29,49.58 54.54,49.33 54.54,48.5 v4(54.04,48)
IO_W11: length 24.8
  Top w0.15: U1.W11 v4(54.04,41) ; J5.135 v3(43.54,55.5)
  In2.Cu w0.1: v3(43.54,55.5) 43.54,46.83 50.37,40 53.04,40 v4(54.04,41)
IO_W12: length 26.7
  Top w0.15: U1.W12 v4(55.04,40) ; J5.131 v3(42.54,55.5)
  In2.Cu w0.1: v4(55.04,40) U1.W12 49.97,39.5 42.54,46.93 v3(42.54,55.5)
IO_Y11: length 23.1
  Top w0.15: U1.Y11 v4(53.04,41) ; J5.137 v3(44.04,55)
  In2.Cu w0.1: v4(53.04,41) 52.29,40.25 50.6,40.25 44.04,46.81 v3(44.04,55)
IO_Y12: length 25
  Top w0.15: U1.Y12 v4(54.04,40) ; J5.133 v3(43.04,55)
  In2.Cu w0.1: v4(54.04,40) 53.79,39.75 50.17,39.75 43.04,46.88 v3(43.04,55)
LED_LINK: length 46.6
  Top w0.2: U6.17 v3(97.59,32.2)
  In2.Cu w0.2: J?1.12 88.74,8.58 86.09,8.58 84.55,10.12 84.55,19.94 86.59,21.98 96.19,21.98 98.39,24.18 98.39,28.08 97.29,29.18 97.29,31.9 v3(97.59,32.2)
  Bottom w0.2: v3(97.59,32.2) 100.01,32.2 100.29,32.48 R81.1 101.3,33.44 R96.1
LED_SPD: length 35.6
  Top w0.2: 97.59,31.18 97.56,31.2 U6.15
  In2.Cu w0.2: v3(97.79,31.18) 101.09,31.18 102.99,29.28 102.99,21.88 104.19,20.68 104.19,10.09 J?1.14
  Bottom w0.2: 97.59,31.18 100.19,31.18 100.39,30.98 R80.1 101.31,30.97 R95.1
MODE0: length 42.3
  Top w0.1: 98.29,57.93 R9.1 ; R11.1 R9.1 ; R9.1 v3(98.29,58.88)
  Top w0.15: U1.H7 v4(66.04,45)
  In2.Cu w0.1: v4(66.04,45) 66.39,45 67.18,45.8 76.28,45.8 89.01,58.53 97.94,58.53 v3(98.29,58.88)
MODE1: length 41.2
  Top w0.1: R13.1 R12.1 97.09,57.26 v3(97.09,59.28)
  Top w0.15: U1.H6 v4(66.04,46)
  In2.Cu w0.1: 95.53,59.33 89.05,59.33 76.02,46.3 66.33,46.3 v4(66.04,46) ; 95.53,59.33 96.19,59.33 ; 95.53,59.33 97.04,59.33 v3(97.09,59.28)
MODE2: length 53.5
  Top w0.15: U1.J5 v4(65.04,47)
  In2.Cu w0.1: v3(85.43,57.48) 85.43,56.84 75.77,47.19 74.25,47.19 ; v4(65.04,47) 65.44,47 65.63,47.19 74.25,47.19 ; 74.25,47.19 74.36,47.19
  Bottom w0.15: MODE2.2 104.35,48.92 102.99,50.28 102.99,55.38 100.51,57.86 85.81,57.86 v3(85.43,57.48)
PROGRAM_B: length 53.2
  Top w0.1: 106.24,41.23 PROG_B1.1
  Top w0.15: U1.M6 v4(61.04,46)
  Top w0.2: R32.2 106.2,43.56 v3(106.19,43.58) ; 106.19,42.78 PROG_B1.1
  In2.Cu w0.1: v4(61.04,46) 61.29,45.75 61.29,45.75 65.04,42 66.45,42 67.15,41.3 68.36,41.3 68.56,41.5 69.93,41.5 77.69,41.5 82.27,46.08 v3(83.59,46.08)
  Bottom w0.2: v3(106.19,43.58) 103.69,46.08 v3(83.59,46.08)
PUDC_B: length 12.1
  Top w0.1: v3(66.38,25.35) R10.2 R36.1
  Top w0.15: U1.K18 64.04,33
  In2.Cu w0.1: v4(64.04,33) 64.04,28.12 66.38,25.79 v3(66.38,25.35)
  Bottom w0.15: v3(66.38,25.35) 65.18,25.35
QSPI_DQ0: length 28.4
  Top w0.1: R59.2 v3(78.12,16.46)
  Top w0.15: U1.H18 v4(66.04,33)
  In2.Cu w0.1: v3(78.12,16.46) 71.36,16.46 67.79,20.03 67.79,25.5 67.56,25.73 67.56,33.14 67.23,33.48 66.51,33.48 v4(66.04,33)
QSPI_DQ1: length 18
  Top w0.1: v3(64.09,19) R60.2 64.64,19
  Top w0.15: U1.H19 v4(66.04,32)
  In2.Cu w0.1: v3(64.09,19) 65.99,19 67.01,20.02 67.01,25.53 65.54,27 65.54,31.5 v4(66.04,32)
QSPI_DQ2: length 21.2
  Top w0.1: v3(64.98,16.97) 64.94,17.01 R27.2 R22.2 63.9,17.77
  Top w0.15: U1.G18 v4(67.04,33)
  In2.Cu w0.1: v3(64.98,16.97) 66.63,16.97 67.52,17.86 67.52,25.4 66.59,26.33 66.59,32.55 v4(67.04,33)
QSPI_DQ3: length 27
  Top w0.1: v3(78.06,19) R26.2 78.97,19
  Top w0.15: U1.F19 v4(68.04,33)
  In2.Cu w0.1: v4(68.04,33) 68.54,32.5 68.54,31.13 68.04,30.63 68.04,20.13 69.17,19 v3(78.06,19)
SD_CD: length 21
  Top w0.15: U1.B22 v3(71.54,27.5) ; 70.67,11.38 R131.2 R136.1 ; v3(69.93,11.38) 70.8,11.38
  Bottom w0.15: v3(71.54,27.5) 71.54,27.34 69.68,25.48 69.68,11.63 v3(69.93,11.38)
SD_CLK: length 27.8
  Top w0.15: U1.D22 v3(69.54,27.5) ; R134.2 v3(69.17,4.65)
  Bottom w0.15: v3(69.54,27.5) 68.74,26.71 68.74,6.85 69.17,6.43 v3(69.17,4.65) 69.17,4.17 69.05,4.05 J7.5